# Altium PCB SK_HC32L021.PcbDoc
Units mm, origin at the board's own origin, x right, y up, seen from the top; angles counter-clockwise.
Board outline 40 x 73 mm, 2 copper layers (Top Layer, Bottom Layer); 94 components, 68 nets, 355 pads, 78 vias.
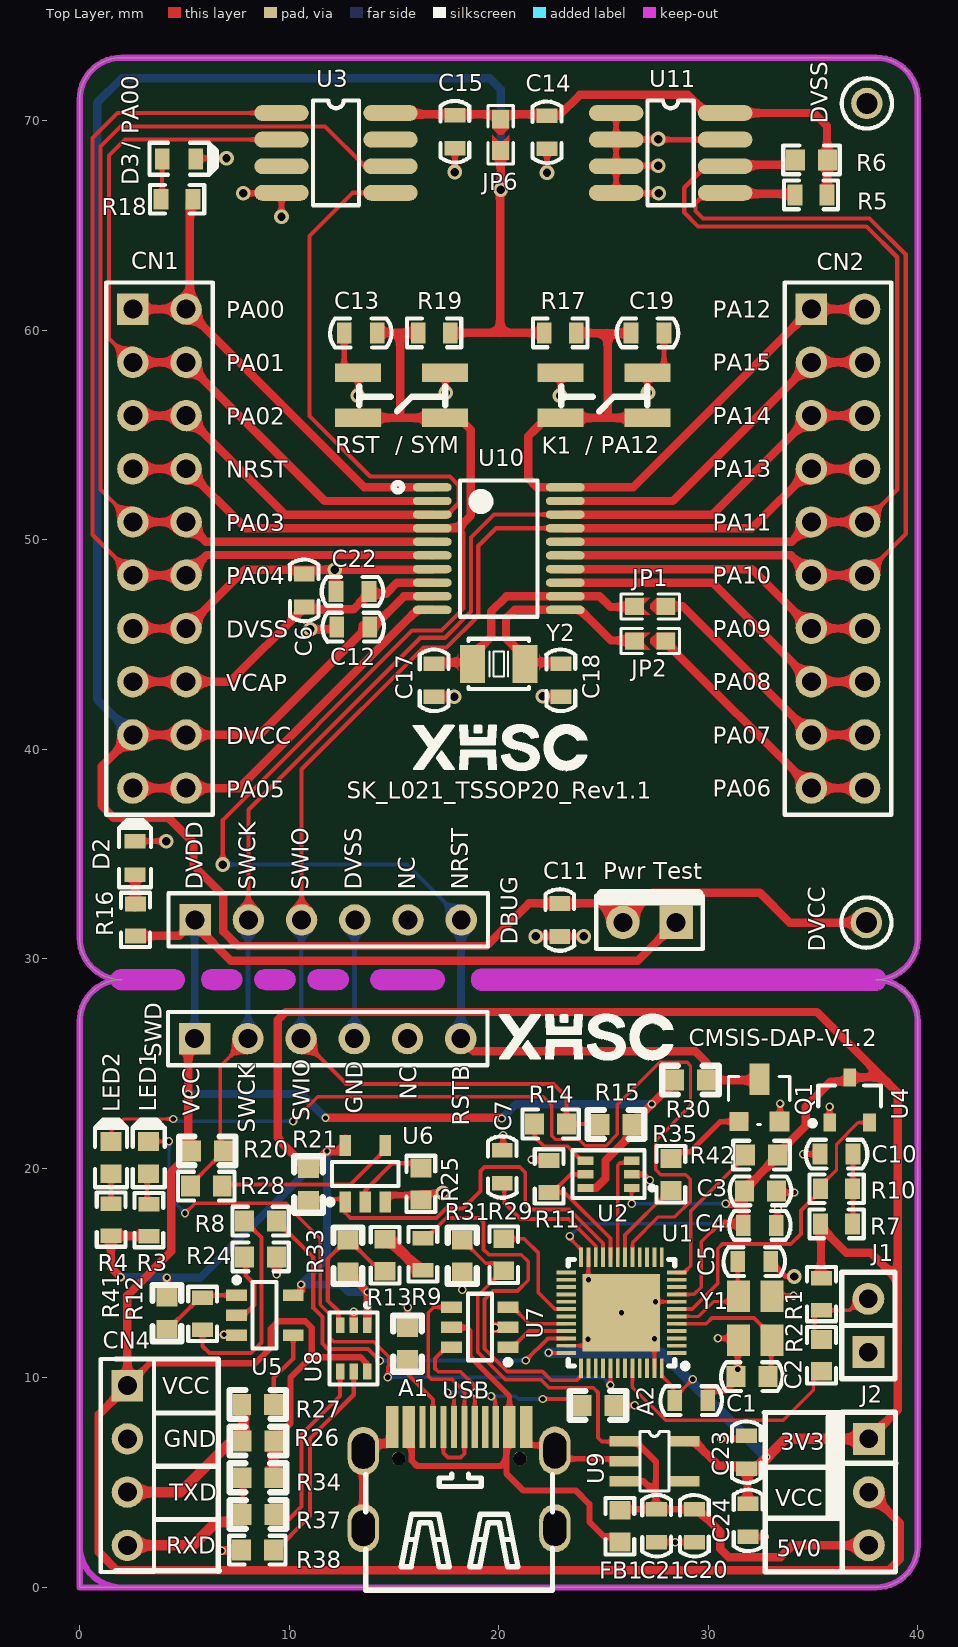
[diagram p0: Top Layer view]
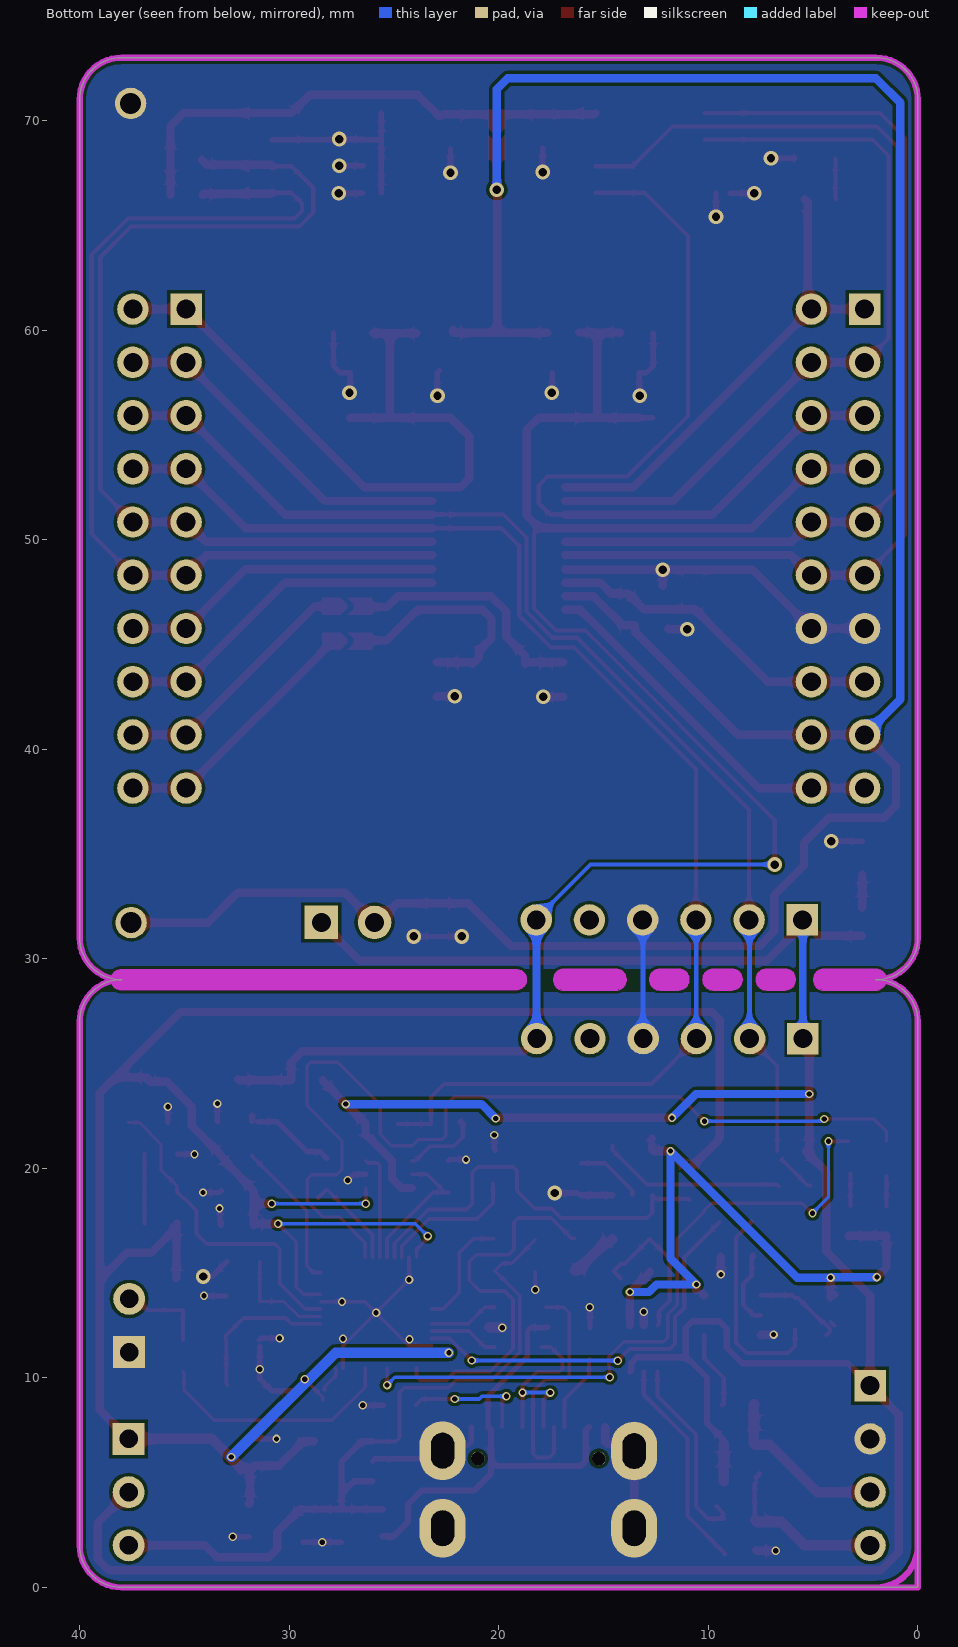
[diagram p1: Bottom Layer view, seen from below]

## Layer stack, top to bottom
Top Solder: solder mask 0.0102, Solder Resist, Dk 3.5
Top Layer: signal copper 0.0356
Dielectric 1: dielectric 0.32, FR-4, Dk 4.8
Bottom Layer: signal copper 0.0356
Bottom Solder: solder mask 0.0102, Solder Resist, Dk 3.5

## Board outline
0,0 0,27 cw(c2,27) 2,29 cw(c2,31) 0,31 0,71 cw(c2,71) 2,73 38,73 cw(c38,71) 40,71 40,31 cw(c38,31) 38,29 cw(c38,27) 40,27 40,2 cw(c38,2) 38,0
cut-out: 6.325,28.506 cw(c6.325,29.007) 6.325,29.507 7.239,29.507 cw(c7.239,29.007) 7.739,29.007 cw(c7.239,29.007) 7.239,28.506
cut-out: 8.865,28.506 cw(c8.865,29.007) 8.865,29.507 9.779,29.507 cw(c9.779,29.007) 10.279,29.007 cw(c9.779,29.007) 9.779,28.506
cut-out: 11.405,28.506 cw(c11.405,29.007) 11.405,29.507 12.319,29.507 cw(c12.319,29.007) 12.819,29.007 cw(c12.319,29.007) 12.319,28.506
cut-out: 14.402,28.5 cw(c14.402,29) 14.402,29.5 16.904,29.5 cw(c16.904,29) 17.404,29 cw(c16.904,29) 16.904,28.5
cut-out: 2,28.5 cw(c2,29) 2,29.5 4.502,29.5 cw(c4.502,29) 5.002,29 cw(c4.502,29) 4.502,28.5
cut-out: 19.176,28.5 38,28.5 ccw(c38,29) 38.5,29 ccw(c38,29) 38,29.5 19.176,29.5 ccw(c19.176,29)

## Design rules (kind name [scope] priority, off if disabled: settings)
Clearance [All] p1: gap=0.15 ignorepadtopadclearanceinfootprint=FALSE
PolygonConnect [All] p1: connectstyle=Direct reliefconductorwidth=0.254 reliefentries=4 polygonreliefangle="90 Angle" airgapwidth=0.254
RoutingVias [All] p1: holewidth=0.711 width=1.27 viastyle="Through Hole" minholewidth=0.711 minwidth=1.27 maxholewidth=0.711 maxwidth=1.27
SolderMaskExpansion [All] p1: expansion=0.102
Width [All] p1: maxlimit=3 minlimit=0.1 preferedwidth=0.254
30 further rules are at their usual default settings.

## Classes and differential pairs
component class U_SK_HC32L021: C6 C11 C12 C13 C14 C15 C17 C18 C19 C22 CN1 CN2 D2 D3 DBUG DVCC DVSS JP1 JP2 JP6 K1 "Pwr Test" R5 R6 R16 R17 R18 R19 RST U3 U10 U11 Y2
component class U_XH_DapLink: A1 A2 C1 C2 C3 C4 C5 C7 C10 C20 C21 C23 C24 CN4 FB1 J1 J2 LED1 LED2 Q1 R1 R2 R3 R4 R7 R8 R9 R10 R11 R12 R13 R14 R15 R20 R21 R24 R25 R26 R27 R28 R29 R30 R31 R33 R34 R35 R37 R38 R41 R42 SWD U1 U2 U4 U5 U6 U7 U8 U9 USB Y1

## Components (designator, comment, footprint, x,y, rotation, side; value= is the part's Value field where it differs from the comment)
A1 "4.7k" R0603#1 15.646,11.633 r270 top locked
A2 "4.7k" R0603#1 24.74,8.688 r180 top locked
C1 "0.1uF" C0603#1 29.972,8.915 r180 top value=0.1uF/6.3V
C2 "20pF" C0603#2 32.08,10.058 r180 top
C3 "1uF" C0603#2 32.487,18.923 r0 top value=0.1uF/6.3V
C4 "10nF" C0603#1 31.671,17.272 r0 top value=0.1uF/6.3V
C5 "20pF" C0603#1 31.402,15.545 r0 top
C6 "1uF" C0603#1 10.719,46.787 r90 top
C7 "47nF" C0603#1 20.168,20.854 r270 top value=0.1uF/6.3V
C10 "0.1uF" C0603#1 35.331,20.676 r0 top value=0.1uF/6.3V
C11 "4.7uF" C0603#1 22.911,32.639 r270 top
C12 "100nF" C0603#1 13.843,45.822 r180 top
C13 "100nF" C0603#1 12.624,59.859 r0 top
C14 "100nF" C0603#1 22.301,70.231 r270 top
C15 "100nF" C0603#1 17.907,70.256 r270 top
C17 "16pF" C0603#1 16.916,42.494 r90 top
C18 "16pF" C0603#1 22.962,42.494 r90 top
C19 "100nF" C0603#1 27.889,59.866 r180 top
C20 "4.7uF" C0603#1 29.332,3.733 r270 top
C21 "100nF" C0603#1 27.534,3.734 r270 top
C22 "0.1uF" C0603#1 13.809,47.532 r180 top
C23 "4.7uF" C0603#1 31.821,5.664 r90 top
C24 "100nF" C0603#1 31.902,3.988 r270 top
CN1 "Header 10X2" HDR2X10 2.54,61 r270 top locked
CN2 "Header 10X2" HDR2X10 34.92,61 r270 top locked
CN4 "2.54mm,4Pin" HDR1X4 2.281,9.627 r270 top
D2 "红色" LED-0603-R 2.642,35.611 r270 top
D3 "蓝色" LED-0603-B 4.737,68.174 r180 top
DBUG "白色单排单束,180°,P=2.54" HDR_1*6_2.54 11.862,31.852 r0 top
DVCC "TP" TP1 37.541,31.725 r0 top value=GND
DVSS "TP" TP1 37.567,70.815 r90 top value=GND
FB1 "MPZ1608S101AT" R0603#1 25.781,2.921 r270 top
J1 "2.54mm,2Pin" SIP2 37.638,11.227 r90 top
J2 "2.54mm,3Pin" SIP3 37.663,7.087 r270 top
JP1 "Short-circuit Break" SB0603 27.229,46.812 r0 top
JP2 "Short-circuit Break" SB0603 27.229,45.161 r0 top
JP6 "Short-circuit Break" SB0603 20.091,69.317 r90 top
K1 "轻触开关4.2*3.25mm" SW-PB4.2*3.25 25.014,56.888 r180 top
LED1 "GREEN" LED0603 3.297,20.511 r270 top
LED2 "Red" LED0603 1.493,20.511 r270 top
"Pwr Test" "白色双排单束,180°,P=2.54" Jumper_1*2_2.54(1) 27.196,31.733 r180 top
Q1 "3904" SOT-23#1 32.436,24.257 r0 top
R1 "4.7k" R0603#2 35.403,13.233 r90 top
R2 "33R" R0603#1 35.403,11.074 r270 top
R3 "10K" R0603#2 3.302,18.288 r270 top
R4 "1k" R0603#2 1.499,16.788 r90 top value=10K
R5 "2K" R0603#2 34.138,66.446 r0 top
R6 "2K" R0603#1 34.925,68.123 r0 top
R7 "10K" R0603#2 36.882,17.348 r180 top
R8 "33R" R0603#1 8.636,17.475 r180 top
R9 "33R" R0603#2 16.378,16.662 r270 top
R10 "33R" R0603#2 35.357,19.025 r0 top
R11 "10k" R0603#2 22.403,18.847 r90 top
R12 "0R" R0603#2 5.867,13.818 r270 top
R13 "0R" R0603#1 14.58,15.85 r90 top
R14 "33R" R0603#1 22.474,22.113 r180 top
R15 "1k" R0603#1 25.598,22.098 r0 top
R16 "1K" R0603#2 2.667,32.614 r270 top
R17 "10K" R0603#2 23.698,59.866 r180 top
R18 "4.7K" R0603#2 3.886,66.243 r0 top
R19 "10K" R0603#2 16.154,59.866 r0 top
R20 "1k" R0603#1 6.096,20.828 r180 top
R21 "10k" R0603#1 10.922,19.228 r270 top
R24 "10K" R0603#1 8.636,15.773 r0 top
R25 "10K" R0603#1 16.281,19.253 r270 top
R26 "1k" R0603#1 8.509,6.985 r180 top
R27 "33R" R0603#1 8.497,8.738 r0 top
R28 "33R" R0603#1 6.045,19.152 r0 top
R29 "1K" R0603#1 20.239,15.875 r90 top
R30 "10k" R0603#1 29.147,24.206 r180 top
R31 "10k" R0603#1 18.258,15.824 r90 top
R33 "10k" R0603#1 12.802,15.823 r90 top
R34 "1k" R0603#1 8.509,5.232 r180 top
R35 "1K" R0603#1 28.214,19.71 r270 top
R37 "33R" R0603#1 8.509,3.48 r0 top
R38 "10K" R0603#1 8.484,1.778 r180 top
R41 "10k" R0603#1 4.166,13.081 r270 top
R42 "10K" R0603#1 32.537,20.625 r0 top
RST "轻触开关4.2*3.25mm" SW-PB4.2*3.25 15.367,56.888 r180 top
SWD "2.54mm,6Pin" HDR1X6 5.486,26.187 r0 top
U1 "HC32F460_LQFP48" QFN-48_L5.0-W5.0-P0.35-TL-EP3.7 25.852,13.106 r180 top
U2 "74LVC1T45GW" SOT363 25.243,19.71 r180 top
U3 "W25Qxx" SO-8 9.634,70.358 r0 top
U4 "SGM803" SOT-23#2 35.794,22.182 r90 top
U5 "74LVC1G125GV" SOT23-5 7.493,13.94 r270 top
U6 "74LVC1G125GV" SOT23-5 12.678,18.39 r0 top
U7 "USBLC6-2" SOT23-6 20.442,11.471 r90 top
U8 "74LVC1T45GW" SOT363 13.081,11.405 r270 top
U9 "BL8568CB5ATR33" SOT-23-5 26.027,6.97 r0 top
U10 "HC32L021C8PA" "TSSOP 20PIN" 20,49.57 r0 top locked
U11 "24Cxx" SO-8 25.603,70.358 r0 top
USB "USB_TypeC_16pin" USB_TYPEC_16PIN 18.111,5.074 r0 top
Y1 "8M" "nd3225da - nd2520da" 32.233,12.852 r270 top value=X32258MOB4SI
Y2 "X321532768KGD2SI" XTAL_3215_2P 20,44.069 r0 top value=32.768KHz

## Footprints (in the part's own frame and the unit in brackets; to place one, negate y for a bottom-side part, rotate by r counter-clockwise, add the part's x,y. Pads: shape width x height; smd on the part's side, far side on the other; paste and mask are expansions set on the pad)
C0603#1 [mm]
  rect 0.7x1 smd: 1(0,0) 2(1.575,0)
  silkscreen extent -0.68,-0.69 2.26,0.69, body extent 0.01,-0.41 1.61,0.39, height 0.3
C0603#2 [mm]
  rect 0.9x1 smd: 1(-0.762,0) 2(0.762,0)
  silkscreen extent -1.47,-0.69 1.47,0.69, body extent -0.78,-0.41 0.82,0.39, height 0.3
HDR1X4 [mm] "Connector; Header; 4 Position"
  rect 1.5x1.5 hole 0.9: 1(0,0)
  round 1.5 hole 0.9: 2(2.54,0) 3(5.08,0) 4(7.62,0)
  silkscreen extent -1.27,-1.27 8.89,1.27
HDR1X6 [mm] "Connector; Header; 10x2 Position"
  rect 1.5x1.5 hole 0.9: 1(0,0)
  round 1.5 hole 0.9: 2(2.54,0) 3(5.08,0) 4(7.62,0) 5(10.16,0) 6(12.7,0)
  silkscreen extent -1.27,-1.27 13.97,1.27
HDR2X10 [mm] "Connector; Header; 10x2 Position"
  rect 1.5x1.5 hole 0.9: 1(0,0)
  round 1.5 hole 0.9: 2(0,2.54) 3(2.54,0) 4(2.54,2.54) 5(5.08,0) 6(5.08,2.54) 7(7.62,0) 8(7.62,2.54) 9(10.16,0) 10(10.16,2.54) 11(12.7,0) 12(12.7,2.54) 13(15.24,0) 14(15.24,2.54) 15(17.78,0) 16(17.78,2.54) 17(20.32,0) 18(20.32,2.54) 19(22.86,0) 20(22.86,2.54)
  silkscreen extent -1.27,-1.27 24.13,3.81
HDR_1*6_2.54 [mm]
  rect 1.5x1.5 hole 0.9: 1(-6.35,0)
  round 1.5 hole 0.9: 2(-3.81,0) 3(-1.27,0) 4(1.27,0) 5(3.81,0) 6(6.35,0)
  silkscreen extent -7.62,-1.27 7.62,1.27, body extent -7.62,-1.27 7.62,1.27, height 8.38
Jumper_1*2_2.54(1) [mm]
  rect 1.6x1.6 hole 0.9: 1(-1.27,0)
  round 1.6 hole 0.9: 2(1.27,0)
  silkscreen extent -2.54,-1.27 2.54,1.27, body extent -2.54,-1.27 2.54,1.27, height 8.45
LED0603 [mm]
  rect 0.9x1 smd: 1(0.775,0) 2(-0.775,0)
  silkscreen extent -1.8,-0.76 1.41,0.76, body extent -0.81,-0.4 0.81,0.4, height 0.6
LED-0603-B [mm]
  rect 0.7x1 smd: 1(0.8,0) 2(-0.8,0)
  silkscreen extent -1.82,-0.76 1.4,0.76, body extent -0.8,-0.4 0.8,0.4, height 0.6
LED-0603-R [mm]
  rect 0.7x1 smd: 1(1.6,0) 2(0,0)
  silkscreen extent -1.02,-0.76 2.2,0.76, body extent 0,-0.4 1.6,0.4, height 0.7
"nd3225da - nd2520da" [mm] "Crystal SMD 3.2x2.5mm compatible with 2.5x2.0mm"
  rect 1.5x1.1 smd mask+0.05: 1(-1.05,-0.8) 2(1.05,-0.8) 3(1.05,0.8) 4(-1.05,0.8)
  body extent -1.6,-1.25 1.6,1.25, height 1
QFN-48_L5.0-W5.0-P0.35-TL-EP3.7 [mm]
  rect 0.93x0.18 smd paste-100 mask+0.05: 1(-2.64,1.925) 2(-2.64,1.575) 3(-2.64,1.225) 4(-2.64,0.875) 5(-2.64,0.525) 6(-2.64,0.175) 7(-2.64,-0.175) 8(-2.64,-0.525) 9(-2.64,-0.875) 10(-2.64,-1.225) 11(-2.64,-1.575) 12(-2.64,-1.925) 25(2.64,-1.925) 26(2.64,-1.575) 27(2.64,-1.225) 28(2.64,-0.875) 29(2.64,-0.525) 30(2.64,-0.175) 31(2.64,0.175) 32(2.64,0.525) 33(2.64,0.875) 34(2.64,1.225) 35(2.64,1.575) 36(2.64,1.925)
  rect 0.18x0.93 smd paste-100 mask+0.05: 13(-1.925,-2.64) 14(-1.575,-2.64) 15(-1.225,-2.64) 16(-0.875,-2.64) 17(-0.525,-2.64) 18(-0.175,-2.64) 19(0.175,-2.64) 20(0.525,-2.64) 21(0.875,-2.64) 22(1.225,-2.64) 23(1.575,-2.64) 24(1.925,-2.64) 37(1.925,2.64) 38(1.575,2.64) 39(1.225,2.64) 40(0.875,2.64) 41(0.525,2.64) 42(0.175,2.64) 43(-0.175,2.64) 44(-0.525,2.64) 45(-0.875,2.64) 46(-1.225,2.64) 47(-1.575,2.64) 48(-1.925,2.64)
  rect 3.7x3.7 smd paste-100 mask+0.05: 49(0,0)
  silkscreen extent -3.17,-2.54 2.54,2.67
R0603#1 [mm]
  rect 0.9x1 smd: 1(-0.762,0) 2(0.762,0)
  silkscreen extent -1.35,-0.69 1.35,0.69, body extent -0.8,-0.4 0.8,0.4, height 0.45
R0603#2 [mm]
  rect 0.7x1 smd: 1(0,0) 2(1.525,0)
  silkscreen extent -0.53,-0.69 2.06,0.69, body extent -0.04,-0.4 1.56,0.4, height 0.45
SB0603 [mil]
  rect 35x32 smd: 1(-29.5,0) 2(29.48,0)
  Top Layer region: 47,-16 12,-16 0,-4 0,4 12,16 47,16
  Top Layer region: 0,16 -12,4 -12,-4 0,-16 -47,-16 -47,16
  silkscreen extent -55,-24 55,24
SIP2 [mil]
  rect 60x60 hole 35: 1(0,0)
  round 60 hole 35: 2(100,0)
  silkscreen extent -50,-50 150,50
SIP3 [mil]
  rect 60x60 hole 35: 1(0,0)
  round 60 hole 35: 2(100,0) 3(200,0)
  silkscreen extent -50,-50 250,51
SO-8 [mm]
  oval 2.6x0.76 smd: 1(0,0) 2(0,-1.27) 3(0,-2.54) 4(0,-3.81) 5(5.2,-3.81) 6(5.2,-2.54) 7(5.2,-1.27) 8(5.2,0)
  silkscreen extent 1.5,-4.41 3.7,0.59, body extent -0.35,-4.35 5.65,0.55, height 1.7
SOT23-5 [mm]
  rect 0.55x1 smd: 1(0,0) 2(0.95,0) 3(1.9,0) 4(1.9,2.7) 5(0,2.7)
  silkscreen extent -0.85,-0.13 2.54,1.91
SOT23-6 [mm]
  rect 0.55x1 smd: 1(0,0) 2(0.95,0) 3(1.9,0) 4(1.9,2.7) 5(0.95,2.7) 6(0,2.7)
  silkscreen extent -0.85,-0.13 2.54,1.91, body extent -0.46,0.11 2.34,2.53, height 1.09
SOT363 [mm]
  rect 0.75x0.4 smd: 1(-1.1,0.65) 2(-1.1,0) 3(-1.1,-0.65) 4(1.1,-0.65) 5(1.1,0) 6(1.1,0.65)
  silkscreen extent -2.17,-1.15 1.72,1.13
SOT-23#1 [mm]
  rect 0.914x0.914 smd: 1(-0.965,-2.032)
  rect 0.95x0.95 smd: 2(0.965,-2.032)
  rect 0.95x1.5 smd: 3(0,0)
  silkscreen extent -1.47,-2.16 1.45,0.13, body extent -1.46,-2.07 1.46,0.27, height 1
SOT-23#2 [mm]
  rect 0.85x0.6 smd: 1(0,0) 2(0,-1.9) 3(2.15,-0.95)
  silkscreen extent -0.16,-2.45 1.78,0.94, body extent -0.33,-2.42 2.47,0.48, height 1.2
SOT-23-5 [mm]
  rect 1.5x0.5 smd: 1(0,0) 2(0,-0.95) 3(0,-1.9) 4(2.8,-1.9) 5(2.8,0)
  silkscreen extent 0.71,-2.38 2.09,0.48, body extent -0.2,-2.5 3,0.6, height 1.45
SW-PB4.2*3.25 [mm]
  rect 2.2x0.9 smd: 1(-2.075,1.075) 1(2.075,1.075) 2(-2.075,-1.075) 2(2.075,-1.075)
  silkscreen extent -2.08,-0.43 2.02,0.78, body extent -2.45,-1.6 2.45,1.6, height 2.51
TP1 [mm]
  round 1.5 hole 1: 1(0,0)
  silkscreen extent -1.2,-1.2 1.2,1.2
"TSSOP 20PIN" [mm] "TSOP, 20-Leads, Body 6.45x4.40mm, Pitch 0.65mm, IPC High Density"
  oval 1.85x0.4 smd: 1(-3.175,2.925) 2(-3.175,2.275) 3(-3.175,1.625) 4(-3.175,0.975) 5(-3.175,0.325) 6(-3.175,-0.325) 7(-3.175,-0.975) 8(-3.175,-1.625) 9(-3.175,-2.275) 10(-3.175,-2.925) 11(3.175,-2.925) 12(3.175,-2.275) 13(3.175,-1.625) 14(3.175,-0.975) 15(3.175,-0.325) 16(3.175,0.325) 17(3.175,0.975) 18(3.175,1.625) 19(3.175,2.275) 20(3.175,2.925)
  silkscreen extent -5.01,-3.25 1.85,3.25, body extent -3.25,-3.3 3.35,3.3, height 1.2
USB_TYPEC_16PIN [mm]
  oval 1.5x2.3 / inner round 0 / far side oval 2.2x2.8 hole 1.1 slot 1.7 at 90 deg: 1(-4.57,-2.25) 1(-4.57,1.432) 1(4.57,-2.25) 1(4.57,1.45)
  rect 0.6x2 smd: A1B12(-3.2,2.577) A4B9(-2.4,2.577) B1A12(3.2,2.577) B4A9(2.4,2.577)
  rect 0.3x2 smd: A5(-1.25,2.577) A6(-0.25,2.577) A7(0.25,2.577) A8(-1.75,2.577) B5(1.75,2.577) B6(0.75,2.577) B7(-0.75,2.577) B8(1.25,2.577)
  round 0.65 hole 0.65 unplated: ""(-2.89,1.073) ""(2.89,1.073)
  silkscreen extent -4.45,-5.21 4.45,0.34, body extent -4.47,-5.23 4.47,2.35, height 3.25
XTAL_3215_2P [mm]
  rect 1.2x1.8 smd: 1(-1.25,0) 2(1.25,0)
  silkscreen extent -1.45,-1.2 1.45,1.2, body extent -1.6,-0.75 1.6,0.75, height 0.9

## Part data
A1 A2 R1 R2 R5 R6 R7 R8 R9 R10 R11 R12 R13 R14 R15 R16 R17 R18 R19 R20 R21 R24 R25 R26 R27 R28 R29 R30 R31 R33 R34 R35 R37 R38 R41 R42: library part RES, "Resister,0603,5%"
C1 C3 C4 C7 C10: library part CAP-CC(SMD), "Capacitor"
C2 C5: library part "C_no pol", "Capacitor without polarity"
C6 C11 C12 C13 C14 C15 C19 C20 C21 C22 C23 C24: library part Cap, "电容", MANUFACTURER="Generic Components", CLASS=Passive, Published=08/06/2000, Publisher="Altium Hobart Technology Centre", SubClass=Capacitor
C17 C18: library part Capacitor, "电容"
CN1 CN2: "Header, 10-Pin, Dual row", LatestRevisionDate=17-Jul-2002, LatestRevisionNote="Re-released for DXP Platform.", Publisher="Altium Limited"
CN4: library part "Header 4", "Header, 4-Pin", LatestRevisionDate=17-Jul-2002, LatestRevisionNote="Re-released for DXP Platform.", Publisher="Altium Limited"
D2 D3: library part LED0, "LED", LatestRevisionDate=08-Jul-2005, LatestRevisionNote="Mech Layer 1 removed.", PackageDescription="LED; 2 Leads", PackageReference=LED-0, Published=8-Jun-2000, Publisher="Altium Limited"
DBUG: library part "Header 1*6", "排针", LatestRevisionDate=17-Jul-2002, LatestRevisionNote="Re-released for DXP Platform.", Publisher="Altium Limited"
DVCC DVSS: library part Testpoint
FB1: library part Inductor, "Ferrite bead, 3A,100R@100MHz,TDK", Code_IEC=1005, Code_JEITA=0402, LatestRevisionDate=17-Jul-2002, LatestRevisionNote="Re-released for DXP Platform.", PackageReference=0402-A, Published=8-Jun-2000, Publisher="Altium Limited"
J1: library part Jumper-2, "2.54mm, 2pin jumper", LatestRevisionDate=17-Jul-2002, LatestRevisionNote="Re-released for DXP Platform.", PackageReference=RAD-0.2, Published=24-Mar-1999, Publisher="Altium Limited"
J2: library part Jumper-3, "2.54mm, 3pin jumper"
JP1 JP2 JP6: "短路点"
K1 RST: library part SW-PB, "按键", LatestRevisionDate=17-Jul-2002, LatestRevisionNote="Re-released for DXP Platform.", PackageDescription="Switch; 2 Leads", PackageReference=SPST-2, Published=24-Mar-1999, Publisher="Altium Limited"
LED1 LED2: library part LED
"Pwr Test": library part Jump-1*2, "排针"
Q1: library part 8050
R3 R4: library part Res1, "Resistor", LatestRevisionDate=17-Jul-2002, LatestRevisionNote="Re-released for DXP Platform.", PackageReference=AXIAL-0.3, Published=8-Jun-2000, Publisher="Altium Limited"
SWD: library part "Header 6", "Header, 4-Pin", MANUFACTURER="Generic Components", CLASS=Connector
U2 U5 U6 U8: library part 74LVC1T45, "Level shift, NXP"
U3: library part W25Q16_S, "集成电路"
U7: "ESD protection, ST"
U9: "集成电路"
U11: library part 24C02, "集成电路"
USB: "USB_TypeC"
Y1: library part "Xtal GND", "Crystal with GND pins", LatestRevisionDate="05-oct-2007  -  Semtech"
Y2: library part XTAL, "晶振", MANUFACTURER="Generic Components", CLASS=Oscillator, Published=08/06/2000, Publisher="Altium Hobart Technology Centre", SubClass="Crystal Oscillator"

## Via types
v1: diameter 0.4, hole 0.25, Top Layer to Bottom Layer, tented both sides, 55 vias
v2: diameter 0.7, hole 0.4, Top Layer to Bottom Layer, tented both sides, 23 vias

## Nets (pads, with @x,y where several pads share a name; then routed paths per layer and width w, separated by ;. In a path a pad name is that pad's centre, name@x,y a point inside that pad or via, vN(x,y) a via of type N, cw(c..) or ccw(c..) an arc to the next point about the centre after c; other vN are vias at no path point)
3V3: C1.2 C3.1 C4.1 C23.1 C24.1 J2.1 R1.2 R3.2 R4.1 R7.2 R21.1 R33.1 R41.1 R42.2 U1.9 U1.24 U1.36 U1.48 U2.1 U4.3 U5.5 U6.5 U8.1 U9.5 | length 156.4
  Top Layer w0.16: v1(22.377,11.201) 22.397,11.181 U1.36 ; v1(23.393,16.763) 23.393,16.655 23.927,16.121 U1.24 ; v1(26.343,18.313) U2.1 ; U1.48 27.777,10.091 28.321,9.548 C1.2@28.321,9.396 ; C1.2 28.397,9.065 29.261,9.929 v1(29.261,9.931) ; U1.9 29.317,13.982 29.667,14.332 29.667,16.485 v1(30.531,17.348) ; C4.1@31.595,17.348 C4.1
  Top Layer w0.381: R41.1@3.97,13.988 4.02,13.988 R41.1 v1(4.166,14.783) ; U6.5@12.678,21.42 U6.5@12.763,21.335 ; U8.1 13.738,12.511 13.738,14.093 v1(13.741,14.097)
  Top Layer w0.4: v1(1.956,14.808) 1.499,15.265 R4.1 1.511,16.776 3.289,16.776 R3.2 ; U5.5 U5.5@10.268,14.015 ; U5.5@10.566,14.168 v1(10.566,14.453) ; U6.5 12.678,20.896 12.603,20.821 v1(11.803,20.821) 10.972,19.99 R21.1 10.872,19.99 9.55,21.311 9.55,21.361 9.462,21.45 9.462,27.09 9.83,27.457 35.179,27.457 38.305,24.332 ; R33.1 12.802,15.037 v1(13.741,14.097) ; U9.5 29.323,6.97 30.478,5.814 31.671,5.814 C23.1 31.872,5.613 31.872,4.039 C24.1@31.923,3.988 ; v1(30.531,17.348) C4.1@31.595,17.348 ; v1(30.836,18.313) 31.698,18.313 ; C4.1 31.698,17.299 31.698,18.313 ; R7.2 35.357,17.198 R7.2@35.38,17.175 ; R1.2 35.38,14.781 R7.2@35.38,17.175 ; J2.1 39.04,8.463 39.04,14.682 ; 31.698,18.313 31.698,18.896 C3.1 31.725,18.973 33.049,20.298 33.049,20.375 R42.2 33.299,20.675 34.644,22.019 34.644,22.934 35.844,24.134 36.644,24.134 36.744,24.234 U4.3 38.305,24.332 ; R7.2@35.38,17.175 36.578,15.977 37.745,15.977 39.04,14.682 ; 38.305,24.332 39.04,23.597 39.04,14.682
  Top Layer w0.5: C23.1 32.283,5.664 33.706,7.087 J2.1
  Bottom Layer w0.16: v1(23.393,16.763) 23.979,17.348 v1(30.531,17.348) ; v1(26.343,18.313) v1(30.836,18.313)
  Bottom Layer w0.381: 12.802,14.122 12.807,14.122 12.832,14.097 v1(13.741,14.097)
  Bottom Layer w0.4: v1(1.956,14.808) 4.14,14.808 v1(4.166,14.783) 5.765,14.783 v1(11.803,20.821) 11.803,15.689 v1(10.566,14.453) 12.471,14.453 12.802,14.122
  Bottom Layer w0.5: v1(22.377,11.201) 27.788,11.201 v1(32.766,6.223)
CONNECT: LED2.2 U1.17 | length 46.1
  Top Layer w0.16: LED2.2 1.493,21.737 2.108,22.352 v1(4.47,22.352) ; v1(10.185,22.25) 11.354,23.419 22.123,23.419 22.53,23.012 22.53,21.544 22.697,21.377 23.828,21.377 24.122,21.082 25.121,21.082 25.654,21.615 25.654,23.038 27.673,25.057 28.995,25.057 29.147,24.904 29.147,22.975 27.484,21.311 27.484,19.927 27.726,19.685 28.931,19.685 29.134,19.482 29.134,18.415 28.397,17.678 27.61,17.678 26.383,16.451 26.383,15.752 U1.17
  Bottom Layer w0.16: v1(4.47,22.352) 4.572,22.25 v1(10.185,22.25)
D+: U7.6 USB.A6 USB.B6 | length 9
  Top Layer w0.18: v1(17.546,9.296) 17.861,8.982 USB.A6 ; U7.6@17.967,11.471 U7.6 17.517,11.471 16.962,10.916 16.962,10.439 17.115,10.287 18.181,10.287 18.861,9.608 USB.B6
  Bottom Layer w0.18: v1(17.546,9.296) v1(18.867,9.296)
D-: U7.4 USB.A7 USB.B7 | length 11.6
  Top Layer w0.18: USB.B7 17.361,6.409 17.572,6.198 18.177,6.198 18.361,6.381 USB.A7 18.361,9.346 17.775,9.931 16.784,9.931 16.632,10.084 16.632,13.106 16.896,13.371 U7.4
DAP5V0: C20.1 C21.1 FB1.1 J2.3 R29.1 R31.2 U9.1 U9.3 | length 36.7
  Top Layer w0.18: R31.2 19.375,15.469 19.833,15.469 20.189,15.113 18.994,13.918 18.994,11.232 20.32,9.906 22.012,9.906 22.393,9.525 24.511,9.525 24.74,9.296 24.74,7.137 24.919,6.958 26.015,6.958 U9.1
  Top Layer w0.3: FB1.1@25.534,3.733 C21.1@27.325,3.733 ; U9.3 26.909,5.07 27.503,4.475 ; U9.1 26.527,6.97 27.503,5.994 27.503,4.475 ; C20.1 C21.1@27.325,3.733 ; C21.1@27.325,3.733 27.503,3.911 27.503,4.475
  Top Layer w0.4: C20.1 29.482,3.733 30.577,2.638 30.577,1.834 30.963,1.448 33.452,1.448 34.011,2.007 J2.3
DIR: R11.1 U1.20 U2.5 | length 6.7
  Top Layer w0.18: R11.1 R11.1@22.553,18.847 ; U2.5 23.416,19.71 R11.1@22.553,18.847 ; U1.20 25.327,16.662 23.142,18.847 R11.1@22.553,18.847
DVCC: "Pwr Test.2" C11.1 C12.1 CN1.17 CN1.18 DVCC.1 JP6.1 R17.2 R19.2 U10.9 | length 133.4
  Top Layer w0.4: 13.487,45.745 13.487,45.595 8.572,40.68 CN1.18 CN1.17 1.041,39.181 1.041,37.313 1.626,36.728 4.242,36.728 5.436,35.535 5.436,34.442 6.858,33.02 6.858,31.293 7.544,30.607 19.406,30.607 21.438,32.639 C11.1 24.853,32.639 25.76,31.733 25.926,31.733 27.341,33.147 32.461,33.147 33.884,31.725 DVCC.1 ; C12.1@13.513,45.76 13.513,45.91 13.834,45.91 14.084,45.91 15.469,47.295 U10.9 ; R19.2 20.066,59.866 ; v2@20.066,66.7 20.066,59.866 ; v2(20.091,66.7) JP6.1 ; R17.2@22.173,60.016 R17.2 20.066,59.866
  Bottom Layer w0.4: CN1.17 0.838,42.382 0.838,70.847 2,72.009 19.583,72.009 20.091,71.501 v2(20.091,66.7)
DVSS: A1.1 A2.1 C1.1 C2.2 C3.2 C4.2 C5.2 C6.2 C7.1 C10.1 C11.2 C12.2 C13.1 C14.2 C15.2 C17.1 C18.1 C19.1 C20.2 C21.2 C22.2 C23.2 C24.2 CN1.13 CN1.14 CN4.2 D2.2 D3.2 DBUG.4 DVSS.1 J1.1 K1.2 Q1.2 R11.2 R24.2 R25.2 R31.1 R38.2 RST.2 SWD.4 U1.8 U1.23 U1.35 U1.47 U1.49 U2.2 U3.4 U4.1 U5.3 U6.3 U7.2 U8.2 U9.2 U10.7 U11.1 U11.2 U11.3 U11.4 U11.7 USB.1 USB.A1B12 USB.B1A12 Y1.2 Y1.4 | length 106
  Top Layer w0.18: R31.1 18.258,14.204 v1(18.263,14.199) ; U1.35 24.277,11.531 v1(25.852,13.106) ; U1.23 v1(24.277,14.681) v1(25.852,13.106) ; U1.47 27.427,11.531 v1(25.852,13.106) ; U1.8 v1(27.483,13.631) 26.377,13.631 v1(25.852,13.106)
  Top Layer w0.254: D2.2 v2@4.064,35.611 ; D3.2@5.867,68.199 v2(7.01,68.199) ; v2(7.805,66.523) U3.4@8.948,66.523 ; v2(9.634,65.405) U3.4 ; C13.1 12.624,58.286 12.947,57.963 13.292,57.963 v2@13.292,57.048 ; A1.1 15.646,13.364 v1(15.653,13.371) ; v2@17.442,57.058 RST.2@17.442,57.963 ; v2(17.907,67.539) C15.2 ; C7.1 20.213,20.899 v1(20.213,21.59) ; USB.B1A12 21.311,6.951 21.484,6.778 22.426,6.778 22.681,6.524 23.069,6.135 25.912,6.135 U9.2 ; v1(21.565,20.416) 22.358,20.416 R11.2 ; v2(21.768,31.064) C11.2 v2(24.054,31.064) ; v2(22.301,67.513) C14.2 ; K1.2@22.846,58.056 22.939,57.963 v2@22.939,57.048 ; A2.1 v1(26.492,8.687) ; U11.4 U11.3 U11.2 ; U11.1 U11.2 ; U2.2 26.924,19.71 v1(27.203,19.431) ; U11.3@26.467,67.843 v2(27.61,67.843) ; U11.2@26.467,69.113 v2(27.61,69.113) ; U11.4@26.492,66.523 v2(27.635,66.523) ; v2@27.089,57.058 27.089,57.963 27.566,57.963 27.889,58.286 C19.1 ; C21.2@27.504,2.158 v1(28.418,2.158) C20.2 ; C1.1@29.89,9.38 30.843,9.38 31.402,9.939 v1(31.402,10.414) Y1.2@31.402,11.523 ; v1(30.46,11.887) 31.348,11.887 Y1.2 ; v1(30.607,7.087) 31.669,7.087 C23.2 ; U11.7 U11.2 ; C24.2 v1(32.69,2.413) ; C5.2 33.688,14.834 v2(34.107,14.834) ; Y1.4 34.05,13.902 v1(34.066,13.919) ; C4.2@33.246,17.422 C4.2 33.299,17.325 v1@33.299,18.002 ; C3.2 33.325,18.847 v1(34.112,18.847) ; Q1.2 33.426,22.251 v1(33.426,23.089) ; v1(34.519,20.676) C10.1 ; v1(35.789,22.936) 35.789,22.187 U4.1
  Top Layer w0.3: U6.3@14.578,18.72 R25.2@16.067,18.72 ; R25.2@16.281,18.821 v2(17.323,18.821)
  Top Layer w0.4: CN1.13 CN1.14 7.885,48.565 v2(12.167,48.565) ; v1(6.782,1.753) 7.696,1.753 R38.2 ; v1(6.883,12.065) 7.468,12.065 U5.3 ; v1(9.398,14.935) R24.2 ; v2(10.998,45.72) 11.887,45.72 11.912,45.745 ; C22.2@12.167,47.803 v2(12.167,48.565) ; U8.2 v1(13.081,13.157) ; USB.1@13.541,2.824 13.541,6.506 13.886,6.851 14.811,6.851 14.911,6.951 USB.A1B12 ; U10.7 16.795,48.565 v2(12.167,48.565) ; C17.1 v2(17.882,42.494) ; v2(22.098,42.52) 22.936,42.52 C18.1
  Top Layer w0.508: v1(19.837,12.395) 19.842,12.4 20.421,12.4 U7.2
  Bottom Layer w0.254: SWD.4 13.119,26.2 DBUG.4@13.119,31.636 ; DBUG.4@13.119,31.839 DBUG.4
  other v1: 24.257,11.836 27.432,11.862 33.325,18.085
  other v2: 4.14,35.611 13.275,56.862 22.922,56.862 17.475,57.015 27.122,57.015
MD: J1.2 R1.1 R2.1 | length 4.2
  Top Layer w0.16: R1.1@35.072,13.232 36.755,13.232 37.29,13.767 J1.2
  Top Layer w0.18: R2.1@35.072,11.811 35.072,12.369 R1.1@35.072,13.232
MODE-DAP: R2.2 U1.44 | length 11.7
  Top Layer w0.16: U1.44 26.377,9.557 27.958,7.976 33.575,7.976 35.022,9.423 35.022,10.237 R2.2@35.072,10.287
NetA1_2: A1.2 USB.A5 | length 3.8
  Top Layer w0.18: A1.2 15.696,10.871 15.696,10.135 16.861,8.971 USB.A5
NetA2_2: A2.2 USB.B5 | length 6.1
  Top Layer w0.18: v1(19.634,9.119) 19.832,8.921 19.832,7.68 USB.B5 ; v1(22.098,8.992) 23.674,8.992 A2.2
  Bottom Layer w0.18: v1(19.634,9.119) 20.803,9.119 20.93,8.992 v1(22.098,8.992)
NetC10_2: C10.2 R7.1 R10.2 | length 3.3
  Top Layer w0.18: R7.1 36.906,17.373 C10.2
NetD2_1: D2.1 R16.1 | length 1.6
  Top Layer w0.4: D2.1 2.654,33.998 R16.1@2.654,32.423 ; R16.1@2.654,32.626 R16.1
NetD3_1: D3.1 R18.1 | length 2
  Top Layer w0.2: R18.1 3.937,66.294 D3.1
NetLED1_1: LED1.1 R3.1 | length 1.5
  Top Layer w0.2: R3.1@3.221,18.2 LED1.1@3.221,19.737
NetLED2_1: LED2.1 R4.2 | length 1.5
  Top Layer w0.2: R4.2@1.493,18.175 LED2.1@1.493,19.635
NetQ1_1: Q1.1 R35.1 | length 4.2
  Top Layer w0.254: R35.1 28.537,20.795 29.147,20.795 30.577,22.225 Q1.1
  Top Layer w0.3: Q1.1@31.767,22.259 Q1.1@31.767,22.521
NetR14_2: R14.2 U2.4 | length 3.7
  Top Layer w0.18: R14.2 21.712,21.493 22.149,21.057 23.271,21.057 23.968,20.36 U2.4
  Top Layer w0.3: R14.2 R14.2@21.815,22.216
NetR24_1: R24.1 U5.2 | length 3.6
  Top Layer w0.2: U5.2 7.849,12.99 8.331,13.472 8.331,14.478 7.925,14.884 R24.1@7.925,15.773
  Top Layer w0.3: R24.1 R24.1@7.874,15.823
NetR25_1: R25.1 U6.2 | length 3.2
  Top Layer w0.2: U6.2@13.628,18.72 13.628,18.945 14.927,20.244 R25.1@16.067,20.244
NetR27_2: R27.2 U5.4 | length 3.7
  Top Layer w0.2: R27.2 9.259,9.996 10.193,10.93 U5.4 ; R27.2@9.336,8.688 R27.2@9.336,8.738
NetR28_2: R28.2 U6.4 | length 8.9
  Top Layer w0.18: R28.2@6.655,19.152 6.731,19.228 12.929,19.228 14.578,20.877 U6.4
NetR37_2: R37.2 U8.4 | length 9.5
  Top Layer w0.2: R37.2@9.259,3.277 10.008,3.277 10.592,3.861 10.592,7.29 12.431,9.129 U8.4 ; R37.2 R37.2@9.431,3.32 ; R37.2@9.271,3.53 R37.2@9.621,3.88
NetR38_1: R38.1 U8.5 | length 10.3
  Top Layer w0.2: R38.1@9.215,1.575 9.215,1.625 10.998,3.408 10.998,7.112 13.081,9.195 U8.5
NetR42_1: R42.1 U1.12 | length 7.2
  Top Layer w0.18: U1.12 28.844,15.032 29.159,15.347 29.159,17.959 31.775,20.575 R42.1
NRST: C13.2 CN1.7 CN1.8 DBUG.6 Q1.3 R19.1 R30.1 RST.1 SWD.6 U10.4 | length 89.5
  Top Layer w0.2: v2(6.833,34.493) 6.833,36.627 15.869,45.664 17.274,45.664 18.325,46.715 18.325,50.279 18.058,50.545
  Top Layer w0.254: RST.1@12.642,55.813 RST.1@13.292,55.813
  Top Layer w0.4: CN1.7 CN1.8 7.915,50.545 U10.4 18.058,50.545 18.669,51.156 18.669,55.236 18.092,55.813 17.442,55.813 15.342,55.813 ; RST.1@13.292,55.813 15.342,55.813 ; C13.2 14.224,59.885 15.291,59.885 ; R19.1@16.154,59.885 15.291,59.885 ; SWD.6 18.798,25.576 29.39,25.576 29.909,25.057 R30.1 32.385,24.206 Q1.3 ; 15.291,59.885 15.291,55.863 15.342,55.813
  Bottom Layer w0.2: v2(6.833,34.493) 15.621,34.493 DBUG.6@18.199,31.915
  Bottom Layer w0.4: SWD.6 18.199,26.2 DBUG.6@18.199,31.839 ; DBUG.6@18.199,31.915 DBUG.6@18.199,31.839 ; DBUG.6 DBUG.6@18.199,31.839
PA00: CN1.1 CN1.2 R18.2 U10.1 | length 23.2
  Top Layer w0.4: CN1.1 CN1.2 ; R18.2 5.261,66.093 5.261,61.181 CN1.2 ; U10.1 13.585,52.495 CN1.2
PA01: CN1.3 CN1.4 U3.2 U10.2 | length 36.5
  Top Layer w0.2: CN1.3 1.397,59.603 1.397,68.326 2.159,69.088 U3.2@10.185,69.088
  Top Layer w0.4: CN1.3 CN1.4 11.695,51.845 U10.2
PA02: CN1.5 CN1.6 U3.5 U10.3 | length 40.9
  Top Layer w0.2: U3.5@15.385,66.548 13.03,66.548 10.973,64.491 10.973,55.905 13.868,53.01 17.672,53.01 18.092,52.589 18.092,51.737 17.55,51.195 U10.3
  Top Layer w0.4: CN1.5 CN1.6 9.805,51.195 U10.3
PA03: CN1.9 CN1.10 U3.6 U10.5 | length 48.8
  Top Layer w0.2: CN1.9 0.991,52.389 0.991,68.758 1.951,69.718 11.714,69.718 13.614,67.818 U3.6@15.385,67.818
  Top Layer w0.4: CN1.9 CN1.10 6.025,49.895 U10.5
PA04: CN1.11 CN1.12 U3.1 U10.6 | length 46.4
  Top Layer w0.2: CN1.11 0.61,50.23 0.61,69.164 1.803,70.358 U3.1@10.185,70.358
  Top Layer w0.4: CN1.11 CN1.12 5.099,48.3 6.064,49.265 16.805,49.265 U10.6
PA05: CN1.19 CN1.20 U10.10 | length 17.8
  Top Layer w0.4: CN1.19 CN1.20 7.595,38.14 16.1,46.645 U10.10
PA06: C18.2 JP2.1 U10.11 Y2.2 | length 11.1
  Top Layer w0.4: C18.2@22.962,44.145 21.326,44.145 Y2.2 20.95,44.369 20.95,44.684 20.345,45.288 20.345,46.228 20.762,46.645 U10.11 23.9,46.645 25.358,45.187 JP2.1@26.396,45.187
PA06X: CN2.19 CN2.20 JP2.2 | length 12.5
  Top Layer w0.4: JP2.2@27.894,45.166 CN2.19 CN2.20
PA07: C17.2 JP1.1 U10.12 Y2.1 | length 12.3
  Top Layer w0.4: C17.2@16.916,44.145 18.674,44.145 Y2.1 18.75,44.469 19.634,45.353 19.634,46.569 20.36,47.295 U10.12 24.819,47.295 25.327,46.787 26.391,46.787 JP1.1@26.67,46.787
PA07X: CN2.17 CN2.18 JP1.2 | length 11.8
  Top Layer w0.4: JP1.2@28.194,46.812 28.788,46.812 CN2.17 CN2.18
PA08: CN2.15 CN2.16 U10.13 | length 18.8
  Top Layer w0.4: U10.13 30.195,47.945 CN2.15 ; CN2.15 CN2.16 CN2.15
PA09: CN2.13 CN2.14 U10.14 | length 18
  Top Layer w0.4: U10.14 32.085,48.595 CN2.13 ; CN2.13 CN2.14 CN2.13
PA10: CN2.11 CN2.12 R5.1 U10.15 U11.5 | length 47.2
  Top Layer w0.2: U11.5 29.883,66.548 29.388,66.053 29.388,65.684 29.743,65.329 37.694,65.329 39.421,63.602 39.421,50.261 CN2.12
  Top Layer w0.254: R5.1@34.065,66.374 R5.1
  Top Layer w0.4: U10.15 33.956,49.245 34.901,48.3 CN2.11 CN2.12 ; U11.5 30.854,66.497 34.087,66.497 R5.1
PA11: CN2.9 CN2.10 R6.1 U10.16 U11.6 | length 46
  Top Layer w0.2: U11.6 29.883,67.818 28.854,66.789 28.854,65.608 29.515,64.948 37.541,64.948 39.014,63.475 39.014,52.394 CN2.10
  Top Layer w0.4: U10.16 33.975,49.895 CN2.9 CN2.10 ; U11.6 30.872,67.887 33.927,67.887 R6.1
PA12: C19.2 CN2.1 CN2.2 K1.1 R17.1 U10.20 | length 33.9
  Top Layer w0.4: R17.1@23.927,59.842 23.936,59.851 25.197,59.851 ; C19.2@25.984,59.859 25.976,59.851 25.197,59.851 ; K1.1@27.089,55.813 25.121,55.813 ; CN2.2 CN2.1 26.415,52.495 U10.20 21.825,52.495 21.412,52.908 21.412,54.936 21.742,55.266 22.289,55.813 22.939,55.813 25.121,55.813 ; 25.121,55.813 25.197,55.889 25.197,59.851
PA13: CN2.7 CN2.8 DBUG.3 R14.1 R15.1 SWD.3 U10.17 | length 64.3
  Top Layer w0.18: R14.1 24.821,22.113 R15.1
  Top Layer w0.2: SWD.3 12.725,24.028 22.606,24.028 23.236,23.398 R14.1 ; DBUG.3@10.592,31.648 10.592,39.04 16.408,44.856 17.514,44.856 19.025,46.367 19.025,49.708 19.862,50.545 U10.17
  Top Layer w0.4: U10.17 32.085,50.545 CN2.7 CN2.8
  Bottom Layer w0.2: SWD.3 10.579,26.2 DBUG.3@10.579,31.636 ; DBUG.3@10.579,31.839 DBUG.3
PA14: CN2.5 CN2.6 DBUG.2 R20.1 R28.1 SWD.2 U10.18 | length 57.9
  Top Layer w0.18: R28.1@5.131,19.152 R28.1@5.131,19.202 ; R28.1@5.283,19.202 R20.1@6.498,20.416 ; R20.1@6.706,20.828 6.706,24.867 SWD.2
  Top Layer w0.2: DBUG.2@8.052,31.648 8.052,37.109 16.256,45.314 17.424,45.314 18.675,46.564 18.675,50.094 19.775,51.195 U10.18
  Top Layer w0.4: U10.18 30.195,51.195 CN2.5 CN2.6
  Bottom Layer w0.25: SWD.2 8.039,26.2 DBUG.2@8.039,31.636 ; DBUG.2@8.039,31.839 DBUG.2
PA15: CN2.3 CN2.4 U10.19 | length 17
  Top Layer w0.4: U10.19 28.305,51.845 CN2.3 CN2.4
RESET#: R35.2 U1.18 | length 4.6
  Top Layer w0.18: U1.18 26.027,16.812 28.164,18.948 R35.2
  Top Layer w0.2: R35.2@28.264,18.948 R35.2@28.614,18.598
RST: R10.1 U1.7 U4.2 | length 15.4
  Top Layer w0.16: R10.1 35.357,19.175 36.119,19.937 36.119,21.158 37.142,22.182 U4.2
  Top Layer w0.18: U1.7 29.233,13.281 30.455,14.503 30.455,16.159 30.678,16.383 33.934,16.383 34.417,16.866 34.417,17.983 35.001,18.567 35.05,18.567 35.357,18.875 R10.1
RUN: LED1.2 U1.41 | length 32.9
  Top Layer w0.16: LED1.2 v1(4.267,21.286) v1@4.356,21.286 ; v1(5.029,17.856) 5.512,18.339 9.855,18.339 10.192,18.002 10.192,17.921 11.481,16.632 11.481,13.498 11.938,13.04 11.938,11.913 12.128,11.723 14.031,11.723 14.756,10.999 14.756,10.572 14.707,10.523 v1(14.707,10.031) ; v1(25.327,9.655) U1.41
  Bottom Layer w0.16: v1(4.267,21.286) 4.267,18.618 v1(5.029,17.856) ; v1(14.707,10.031) 24.952,10.031 v1(25.327,9.655)
RX#: R13.1 R33.2 U8.3 | length 7.6
  Top Layer w0.2: U8.3 12.35,12.586 12.35,13.177 11.836,13.691 11.836,15.67 12.752,16.585 R33.2 12.852,16.585 13.999,15.438 14.18,15.438 14.53,15.088 R13.1@14.18,14.738
RXD: CN4.4 R34.2 R37.1 | length 8.2
  Top Layer w0.2: R34.2@7.569,5.46 7.569,5.359 R34.2@7.722,5.207 ; R34.2@7.71,5.029 7.786,4.953 7.786,3.251 R37.1@7.761,3.226 ; R34.2 R34.2@7.747,5.282
  Top Layer w0.508: CN4.4 5.41,2.007 6.523,3.12 7.655,3.12 R37.1@7.761,3.226
SWCLK#: R21.2 U1.21 U6.1 | length 19.7
  Top Layer w0.18: R21.2@10.897,18.491 10.94,18.535 12.493,18.535 U6.1@12.678,18.72 ; 12.678,17.878 12.929,17.628 17.027,17.628 17.484,18.085 18.287,18.085 19.126,18.924 19.126,19.869 19.324,20.067 21.005,20.067 21.26,19.812 21.26,18.313 21.539,18.034 23.368,18.034 24.977,16.425 U1.21
  Top Layer w0.2: 12.678,17.878 U6.1 U6.1@12.678,18.72
SWDIO#: U1.19 U2.3 | length 5.2
  Top Layer w0.18: U1.19 25.677,20.145 25.783,20.25 26.233,20.25 U2.3
TCK_SWCLK: R9.1 U1.37 | length 18.4
  Top Layer w0.18: R9.1 16.528,16.662 17.493,17.628 19.07,17.628 19.274,17.424 19.274,16.129 19.528,15.875 21.077,15.875 21.407,15.545 21.407,14.656 20.899,14.148 19.731,14.148 19.324,13.741 19.324,11.389 20.409,10.305 22.08,10.305 22.504,9.881 23.716,9.881 23.927,10.091 U1.37
TCK_SWCLK#: R9.2 R13.2 | length 2.4
  Top Layer w0.508: R13.2 R13.2 14.776,16.416 14.95,16.416 16.228,15.137 R9.2
TMS_SWDIO: R8.1 U1.34 | length 19.1
  Top Layer w0.2: R8.1@9.474,17.425 11.151,15.749 11.151,13.335 11.582,12.903 11.582,11.633 11.836,11.38 13.766,11.38 v1(14.326,10.82) ; v1(21.285,10.826) 22.341,11.881 U1.34
  Bottom Layer w0.2: v1(14.326,10.82) 14.328,10.823 21.283,10.823 v1(21.285,10.826)
TMS_SWDIO#: R8.2 R12.2 | length 10
  Top Layer w0.2: R12.2 5.867,11.506 6.192,11.181 8.184,11.181 8.681,11.678 8.681,16.694 7.95,17.425 R8.2@7.95,17.475
TX#: R12.1 R41.2 U5.1 | length 4.4
  Top Layer w0.2: R41.2@3.988,12.497 R41.2@4.14,12.649 ; R41.2 4.516,12.669 4.569,12.669 5.717,13.818 R12.1 5.989,13.94 U5.1 ; R41.2@4.224,12.173 R41.2@4.356,12.041
TXD: CN4.3 R26.2 R27.1 | length 8.3
  Top Layer w0.508: CN4.3 4.801,4.547 7.061,6.807 7.685,6.807 R26.2@7.735,6.858 ; R27.1@7.812,8.738 7.824,8.725 7.824,6.871 R26.2@7.837,6.858
USBFS_DM: U1.32 U7.3 | length 3.3
  Top Layer w0.18: U7.3 20.667,13.371 21.456,12.581 U1.32
  Top Layer w0.2: U7.3@20.213,13.371 U7.3
USBFS_DP: U1.33 U7.1 | length 3.3
  Top Layer w0.18: U7.1 20.667,11.471 21.428,12.231 U1.33
  Top Layer w0.2: U7.1@20.213,11.471 U7.1
USBVCC: FB1.2 U7.5 USB.A4B9 USB.B4A9 | length 22
  Top Layer w0.254: U7.5@17.666,12.421 U7.5 17.767,12.395 18.478,12.395 18.627,12.246 18.627,11.01 20.511,9.126 USB.B4A9
  Top Layer w0.3: USB.A4B9 15.846,7.516 15.846,6.044 16.099,5.791 20.112,5.791 20.366,6.045 ; USB.B4A9 20.366,7.506 20.366,6.045 ; FB1.2@25.547,2.438 25.014,2.438 24.328,3.124 24.328,3.962 23.668,4.623 21.179,4.623 20.366,5.436 20.366,6.045
VBUSDET: R29.2 U1.30 | length 5.5
  Top Layer w0.18: R29.2 21.204,16.637 21.89,15.951 21.89,14.06 22.668,13.281 U1.30
VCAP: C6.1 C22.1 CN1.15 CN1.16 U10.8 | length 16.2
  Top Layer w0.4: CN1.15 CN1.16 7.177,43.22 10.631,46.673 13.061,46.673 13.809,47.422 14.63,47.422 15.154,47.945 U10.8
VCAP-1: C7.2 U1.22 | length 6.7
  Top Layer w0.18: C7.2@20.269,19.278 20.269,18.34 21.032,17.577 23.343,17.577 24.627,16.292 U1.22
VCC: "Pwr Test.1" CN4.1 DBUG.1 J2.2 R15.2 R16.2 R20.2 R26.1 R30.2 R34.1 SWD.1 U2.6 U8.6 | length 155.2
  Top Layer w0.3: CN4.1 3.348,10.693 8.382,10.693 9.119,11.43 9.119,12.344 9.474,12.7 10.77,12.7 11.074,12.395 11.074,11.024 11.03,10.98 ; R26.1 9.271,7.035 10.058,7.822 10.058,10.008 11.03,10.98 ; U8.6 13.681,10.355 13.681,10.704 13.405,10.98 11.03,10.98
  Top Layer w0.4: R16.2 4.749,31.089 DBUG.1 5.512,31.598 7.214,29.896 26.63,29.896 28.466,31.733 28.598,31.864 28.625,31.797 28.637,31.766 28.758,31.466 ; R20.2@5.182,20.828 v1(5.182,23.546) 5.182,25.883 SWD.1 ; R20.2 5.334,20.778 4.369,19.813 4.369,16.027 2.281,13.94 CN4.1 0.914,8.26 0.914,1.676 1.778,0.813 38.608,0.813 39.141,1.346 39.141,3.068 J2.2 ; v1(11.735,22.403) 20.117,22.403 v1(20.142,22.377) ; U2.6 24.648,19.06 25.095,19.507 25.095,20.371 26.36,21.636 R15.2 26.36,22.148 26.61,22.398 26.627,22.398 v1@27.305,23.076 ; v1(27.305,23.063) v1@27.305,23.076 ; R30.2 28.385,24.156 v1@27.305,23.076
  Top Layer w0.5: R34.1@9.259,5.055 R26.1@9.259,6.858
  Bottom Layer w0.35: SWD.1 DBUG.1@5.486,31.826
  Bottom Layer w0.4: v1(5.182,23.546) 10.592,23.546 v1(11.735,22.403) ; DBUG.1@5.486,31.826 DBUG.1 ; v1(20.142,22.377) 20.828,23.063 v1@27.3,23.063
VCC-M: C14.1 C15.1 JP6.2 R5.2 R6.2 U3.8 U11.8 | length 24.7
  Top Layer w0.4: U3.8@15.385,70.358 15.449,70.294 17.907,70.294 20.091,70.294 22.301,70.294 22.669,70.294 22.733,70.231 22.883,70.231 23.874,71.222 29.02,71.222 29.883,70.358 U11.8 35.052,70.358 35.663,69.747 35.663,68.123 R5.2
XI: C2.1 U1.5 Y1.3 | length 7.3
  Top Layer w0.18: U1.5 29.904,12.581 30.175,12.852 32.183,12.852 33.033,12.002 Y1.3 ; C2.1@32.939,9.652 33.002,9.715 33.002,11.723 Y1.3@32.978,11.747
XO: C5.1 U1.6 Y1.1 | length 5.1
  Top Layer w0.15: U1.6 29.538,12.931 30.246,13.64 31.372,13.64 Y1.1@31.39,13.657 ; Y1.1@31.402,13.623 C5.1
pads on no net: DBUG.5 SWD.5 U1.1 U1.2 U1.3 U1.4 U1.10 U1.11 U1.13 U1.14 U1.15 U1.16 U1.25 U1.26 U1.27 U1.28 U1.29 U1.31 U1.38 U1.39 U1.40 U1.42 U1.43 U1.45 U1.46 U3.3 U3.7 U9.4 USB. USB.A8 USB.B8

## Polygon pours and split planes (outlines as drawn)
DVSS on Bottom Layer "Bottom Layer-DVSS 1" (solid, remove dead copper, pour order 4): 0.635,29.515 0,30.15 0,71.755 1.245,73 38.811,73 40.005,71.806 40.005,30.204 39.265,29.464 39.215,29.515
DVSS on Bottom Layer "Bottom Layer-DVSS" (solid, remove dead copper, pour order 2): 0,0 0,27.559 0.838,28.397 39.268,28.397 40.005,27.661 40.005,1.092 38.913,0

## Keep-outs
Keep-Out Layer:
  lines w0.3: 0,2 ccw(c2,2) 2,0 ; 0,0 0,27 cw(c2,27) 2,29 cw(c2,31) 0,31 0,71 cw(c2,71) 2,73 38,73 cw(c38,71) 40,71 40,31 cw(c38,31) 38,29 cw(c38,27) 40,27 40,2 cw(c38,2) 38,0 0,0
  lines w1: 2,29 4.502,29 ; 6.325,29.007 7.239,29.007 ; 8.865,29.007 9.779,29.007 ; 11.405,29.007 12.319,29.007 ; 14.402,29 16.904,29 ; 19.176,29 38,29

## Silkscreen, mask and mechanical layers (free items; w line width, h text height)
Top Overlay:
  drawing of 32 lines, arcs and shapes, not listed
  text "/ PA00" at 2.819,68.605 h0.8 r90
  text "PA00" at 7.005,60.573 h0.8
  text "PA12" at 30.201,60.588 h0.8
  text "PA01" at 7.005,58.03 h0.8
  text "PA15" at 30.201,58.048 h0.8
  text "PA02" at 7.005,55.488 h0.8
  text "PA14" at 30.201,55.508 h0.8
  text "/ SYM" at 15.062,54.127 h0.8
  text "/ PA12" at 24.13,54.127 h0.8
  text "PA13" at 30.201,52.968 h0.8
  text "NRST" at 7.005,52.945 h0.8
  text "PA11" at 30.201,50.428 h0.8
  text "PA03" at 7.005,50.402 h0.8
  text "PA10" at 30.201,47.888 h0.8
  text "PA04" at 7.005,47.859 h0.8
  text "PA09" at 30.201,45.348 h0.8
  text "DVSS" at 7.005,45.316 h0.8
  text "PA08" at 30.201,42.808 h0.8
  text "VCAP" at 7.005,42.773 h0.8
  text "PA07" at 30.201,40.268 h0.8
  text "DVCC" at 7.005,40.231 h0.8
  text "PA06" at 30.201,37.728 h0.8
  text "PA05" at 7.005,37.688 h0.8
  text "SK_L021_TSSOP20_Rev1.1" at 12.751,37.643 h0.8
  text "DVDD" at 5.867,33.299 h0.8 r90
  text "SWCK" at 8.402,33.299 h0.8 r90
  text "SWIO" at 10.937,33.299 h0.8 r90
  text "DVSS" at 13.472,33.299 h0.8 r90
  text "NC" at 16.007,33.299 h0.8 r90
  text "NRST" at 18.542,33.299 h0.8 r90
  text "CMSIS-DAP-V1.2" at 29.059,25.832 h0.8
  text "NC" at 16.078,23.266 h0.8 r90
  text "GND" at 13.513,22.606 h0.8 r90
  text "VCC" at 5.74,22.504 h0.8 r90
  text "SWIO" at 10.973,22.25 h0.8 r90
  text "RSTB" at 18.593,22.022 h0.8 r90
  text "SWCK" at 8.382,21.692 h0.8 r90
  text "VCC" at 3.946,9.22 h0.8
  text "GND" at 4.008,6.68 h0.8
  text "3V3" at 33.421,6.553 h0.8
  text "TXD" at 4.28,4.14 h0.8
  text "VCC" at 33.193,3.861 h0.8
  text "RXD" at 4.144,1.6 h0.8
  text "5V0" at 33.269,1.473 h0.8

## Dimensions
-0.711,73.025 to 1.5,29 on Top Overlay
1.5,29 to -4.496,-0.025 on Top Overlay
0,0 to 40,-1.168 on Top Overlay